# Altium PCB ESE516_PCB.PcbDoc (part 2 of 2)
Units mil, origin at the board's own origin, x right, y up, seen from the top; angles counter-clockwise.
Board outline 2362.21 x 2362.21 mil, 4 copper layers (Top Layer, GroundPlane, PowerPlane, Bottom Layer), stack 58.4 mil thick; 125 components, 76 nets, 358 pads, 172 vias.
Unrouted connection lines stored in the file: 70.
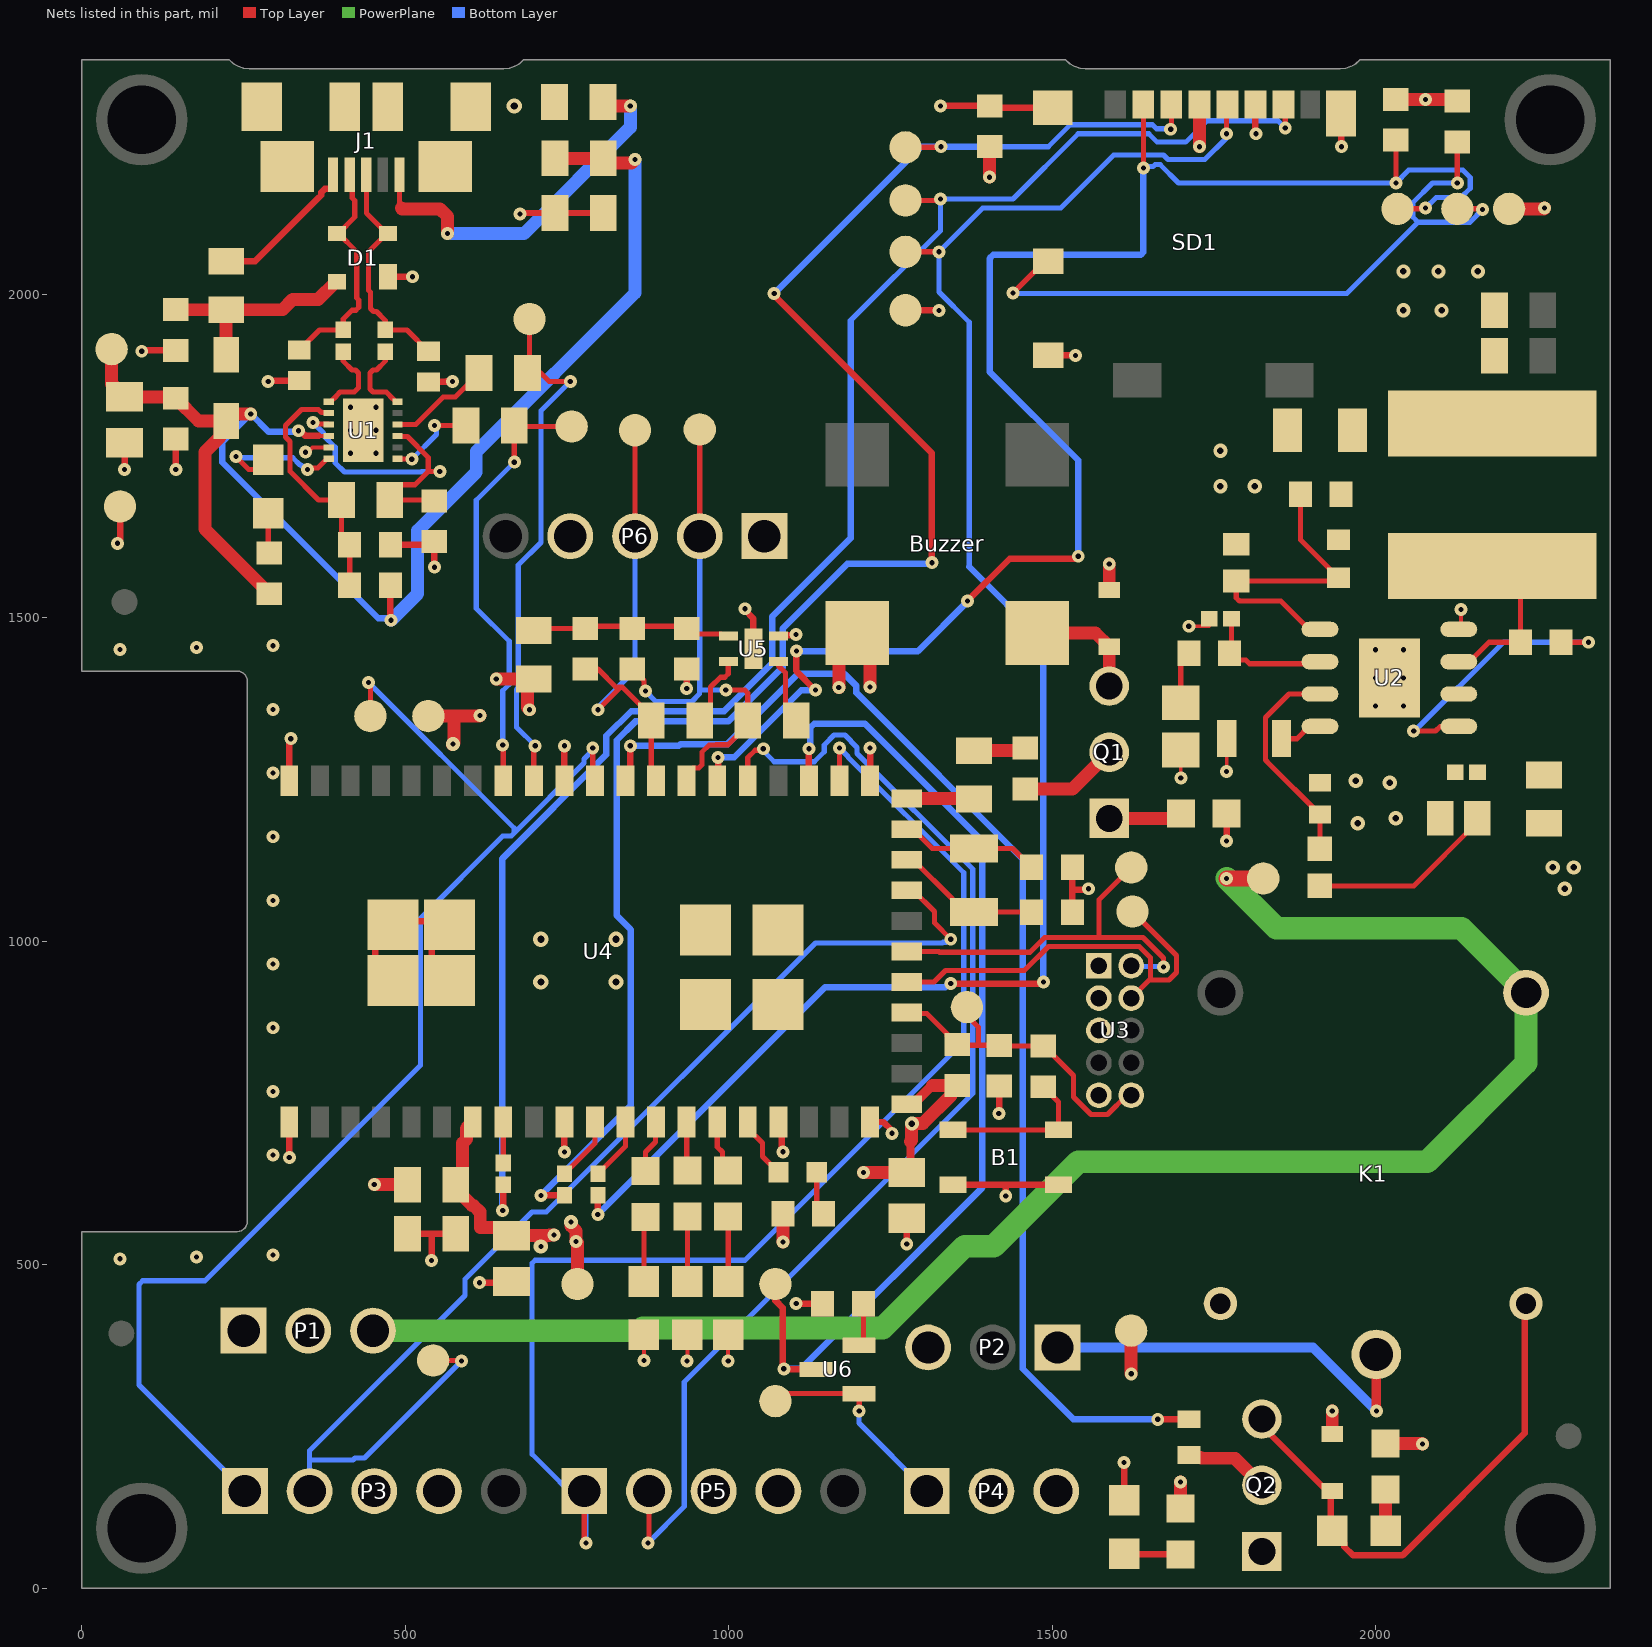
[diagram p4: the nets of this part, all layers, seen from the top]

## Via types
v1: diameter 20, hole 8, Top Layer to Bottom Layer, tented both sides, 136 vias
v2: diameter 22, hole 10, Top Layer to Bottom Layer, tented both sides, 16 vias
v3: diameter 20, hole 8, Top Layer to Bottom Layer, 12 vias
v4: diameter 23.62, hole 11, Top Layer to Bottom Layer, tented both sides, 5 vias
v5: diameter 22, hole 8, Top Layer to Bottom Layer, tented both sides, 3 vias

## Nets (pads, with @x,y where several pads share a name; then routed paths per layer and width w, separated by ;. In a path a pad name is that pad's centre, name@x,y a point inside that pad or via, vN(x,y) a via of type N, cw(c..) or ccw(c..) an arc to the next point about the centre after c; other vN are vias at no path point) (continued)
3V3: Buzzer.1 C15.2 D2.1 P6.1 R7.1 R13.2 R14.2 R22.2 R30.1 R38.2 SD1.4 TP6.1 TP19.1 | length 822.7
  Top Layer w20: v1(452,624) 452.32,623.68 R30.1@503.17,623.68 ; TP19.1@535.48,1347.89 574.97,1347.89 ; v5@572.45,1303.65 574.97,1306.17 574.97,1347.89 ; v1(615.18,1348.61) 614.47,1347.89 574.97,1347.89 ; v1(640.5,1405.4) R38.2@698.6,1405.4 688.76,1395.56 688.76,1360.91 v1(692,1357.67) ; v1(1083.6,535.01) R7.1@1083.6,578.5 ; v1(1169.94,1392.11) 1169.94,1447.7 Buzzer.1@1198.45,1476.2 1218.29,1456.37 v1(1218.29,1392.63) ; v1(1403,2180.81) C15.2@1403,2228 ; D2.1@1588,1542.9 v1(1588,1583) ; v1(1727.38,2228) SD1.4@1727.38,2293.09 ; R13.2@2031.19,2301.18 v1(2077,2301.18) 2123.32,2301.18 R14.2@2126,2298.5 ; TP6.1@2206,2132 2260,2132 v1(2261,2133)
  other v2: 2042.65,1975.21 2101.69,1975 2042.65,2035.28 2096.74,2035.28 2157.86,2035.28
  other v5: 573.71,1304.91
5V: D6.1 K1.COIL1 P1.2 P3.3 P4.2 P5.3 R19.2 R20.2 R32.1 TP21.1 | length 206.7
  Top Layer w8: v1@1621.91,331.38 v1(1622,331.29) v1@1624,333.29 ; TP21.1@1621.91,397.99 TP21.1@1623.91,395.99
  Top Layer w20: v1@1621.91,331.38 TP21.1@1621.91,397.99 ; R19.2@1698,122.95 v1(1698,164) ; D6.1@1932.66,237.9 v1(1932.66,274) ; R20.2@2015,223.43 2071.57,223.43 v1(2072,223)
  other v2: 2292.11,1081 2273.65,1114 2306.09,1114
12V: K1.NO P1.3 TP5.1 | length 2654.6
  Top Layer w25: v1(1769.43,1097) TP5.1@1826,1097
  PowerPlane w35: P1.3@450,398 862.7,398 866.7,402 1237.84,402 1364.38,528.54 1409.53,528.54 1540.07,659.08 2079.53,659.08 2232.22,811.77 K1.NO@2232.22,920.16 2132.38,1020 1846.43,1020 v1(1769.43,1097)
CBUS0: D5.2 U1.6 | length 223.4
  Top Layer w8: v1(238,1749) 258,1729 272.66,1729 D5.2@288,1744.34 ; v1(348.87,1729) 351.17,1731.3 364.63,1731.3 377.83,1744.5 380.78,1744.5 U1.6@381.7,1745.42
  Bottom Layer w8: v1(238,1749) 239.83,1747.17 325.84,1747.17 337.22,1735.8 338.83,1735.8 345.63,1729 v1(348.87,1729)
FLASH_MEM_SPI_SS: R13.1 SD1.2 TP11.1 U4.37 | length 2527.1
  Top Layer w8: v1(1640.77,2195) SD1.2@1640.77,2293.09 ; v1(2031,2172) 2031,2175.81 2031.19,2176 R13.1@2031.19,2238.19 ; TP11.1@2033.48,2132 2076,2132 v1(2077,2133)
  Top Layer w10: U4.37@982.07,1248.03 983.31,1249.28 v1(983.31,1283.65) ; v1(1104.73,1448.26) 1104.73,1445.89 1104.11,1445.28 1104.11,1417.65 v1(1133.77,1388) ; v1(1369,1526) 1434.17,1591.17 1536,1591.17 1539.83,1595 v1(1540.09,1595)
  Bottom Layer w8: v1(1640.77,2195) 1643.06,2197.3 1655.83,2197.3 1658.77,2200.23 1666.77,2200.23 1695,2172 v1(2031,2172) 2051,2192 2134.28,2192 2146,2180.28 2146,2163.72 2131.79,2149.51 2093.51,2149.51 v1(2077,2133)
  Bottom Layer w10: v1(983.31,1283.65) 983.91,1284.25 1008.31,1284.25 1112.07,1388 v1(1133.77,1388) ; v1(1104.73,1448.26) 1292.26,1448.26 1369,1525 v1(1369,1526) ; v1(1540.09,1595) 1540.09,1743.15 1403,1880.25 1403,2055.14 1408.86,2061 1637,2061 1640.77,2064.77 v1(1640.77,2195)
GND: B1.3 B1.4 C1.1 C2.1 C3.1 C4.1 C5.2 C6.2 C7.1 C9.1 C10.1 C11.1 C12.1 C13.1 C14.1 C15.1 C17.2 C18.2 C19.1 C20.2 C21.2 C22.1 D1.1 D3.1 D7.1 D8.1 D9.1 J1.6 J1.7 J1.8 J1.9 J1.10 J1.11 P1.1 P2.3 P3.4 P4.3 P5.4 P6.4 Q2.1 R15.1 R27.2 R29.1 R29.2 R31.1 R31.2 R34.1 R42.1 R44.1 SD1.6 SD1.10 SD1.11 SD1.12 TP3.1 TP13.1 U1.5 U1.13 U2.4 U2.9 U3.3 U3.5 U3.9 U4.0 U4.1 U4.10 U4.17 U4.20 U4.32 U4.42 U4.51 U5.4 U5.5 | length 2661.8
  Top Layer w6: v1(345.5,1755.8) 349.29,1755.8 356.63,1763.13 U1.5@381.7,1763.13 ; v1(868.72,352) D9.1@868.72,391.32 ; v1(935.12,351) 936,351.88 D7.1@936,391.32 ; D8.1@998.85,391.32 998.85,351.15 v1(999,351) ; v1(1698.57,1252) C17.2@1698.57,1295.5 ; v1(1710.96,1486.79) C22.1@1742.46,1486.79 ; v1(1769,1262) 1769.68,1262.68 C21.2@1769.68,1313 ; U2.4@2128.28,1482 2131.54,1485.25 v1(2131.54,1512.58)
  Top Layer w10: v1(55,1615) 57,1617 57,1619 59,1621 TP3.1@59,1672 ; v1(66,1729) C4.1@66,1770.57 ; v1(92.52,1911.81) 93.95,1913.24 C2.1@145,1913.24 ; v1(145.23,1729) C3.1@145.23,1776.13 ; v1(288,1865) 288.44,1865 289.82,1866.38 C5.2@336,1866.38 ; v1(320.65,665.74) U4.1@320.65,720.47 ; U4.51@320.65,1248.03 320.65,1310.65 v1(323,1313) ; U4.0@453.25,945.22 453.25,1031.13 540.57,1031.13 U4.0@540.57,945.22 ; D1.1@473.25,2027 v1(511,2027) ; C7.1@477,1613 540.5,1613 C1.1@545,1617.5 v1(545,1578) ; R31.1@503.17,548 540.57,548 ; C6.2@535.48,1864.56 563.18,1864.56 564.17,1865.55 572.45,1865.55 v1(572.79,1865.21) ; v1(540.57,506.3) 540.57,548 ; R31.2@577.97,548 540.57,548 ; v1(614.85,472.15) 662.15,472.15 C10.1@664,474 ; v1(677,2124) 678.5,2125.5 R29.2@731.2,2125.5 R29.1@806,2125.5 ; v1(745.85,674) U4.10@745.85,720.47 ; U4.42@745.85,1248.03 v1(745.85,1301.99) ; v1(934.82,1390.59) C9.1@934.82,1420.5 ; v1(1025.2,1513.8) 1025.2,1511.29 1038,1498.5 U5.5@1038,1452 ; U4.17@1076.56,720.47 1081.69,715.34 1081.69,676.33 v1(1083.6,674.42) ; U5.4@1076.78,1471.69 1078.06,1472.97 1102.76,1472.97 v1(1104.05,1474.25) ; v1(1104.11,439.84) R34.1@1145.06,439.84 ; U4.20@1218.29,720.47 1238.85,720.47 1251,708.32 1251,704 v1(1252,703) ; U4.32@1218.29,1248.03 v1(1218.29,1298.5) ; TP13.1@1273,1975.21 1324.68,1975.21 v1(1324.89,1975) ; v1(1275,532) C11.1@1275.02,571.51 ; v1(1327,2291) 1328.09,2291 C15.1@1403,2290.99 1405.82,2288.17 SD1.11@1500.61,2288.17 ; B1.3@1346.31,623.68 1428,623.68 ; v1(1417.29,733.75) 1418.25,734.71 C12.1@1418.25,776.04 ; v1(1428,606) 1428,623.68 ; SD1.10@1493.72,1905.3 1535.7,1905.3 v1(1536,1905) ; B1.4@1509.69,623.68 1428,623.68 ; C13.1@1531,1045 1531,1079.5 ; C14.1@1531,1114 1531,1079.5 ; v1(1556,1081) 1554.5,1079.5 1531,1079.5 ; D3.1@1611,135.86 v1(1611,194) ; v1(1769,1155) 1769.43,1155.43 R15.1@1769.43,1197 ; SD1.6@1814,2293.09 1814,2249 v1(1815,2248) ; SD1.12@1946.28,2279.31 1946.28,2228.72 v1(1947,2228)
  other v1: 59.06,509 177.17,512 295.28,515 295.28,669.29 295.28,767.72 295.28,866.14 295.28,964.57 295.28,1062.99 295.28,1161.42 295.28,1259.84 295.28,1358.27 59.06,1450.69 177.17,1453.69 295.28,1456.69
  other v2: 1972.21,1182.2 2031,1190.1 2021.5,1244.92 1968.94,1248.03 1759.78,1703.02 1813.01,1703.02 1759.78,1758
  other v3: 1999.35,1363.69 2042.65,1363.69 1999.35,1407 2042.65,1407 1999.35,1450.31 2042.65,1450.31 415.17,1754.28 454.54,1754.28 415.17,1789.71 454.54,1789.71 415.17,1825.14 454.54,1825.14
  other v4: 709.43,936.85 825.66,936.85 709.43,1003 825.66,1003 668.4,2291
GND_USB: J1.5 R27.1 | length 584.1
  Top Layer w8: J1.5@490.76,2184.69 490.76,2136.24 494,2133
  Top Layer w20: 494,2133 495,2132 553.28,2132 565,2120.28 v1(565,2093.93) ; R27.1@805.4,2297 811.4,2291 v1(847.71,2291)
  Bottom Layer w20: v1(565,2093.93) 683.7,2093.93 847.71,2257.94 v1(847.71,2291)
I2C_SCL: P6.3 R23.1 R39.2 TP20.1 U4.39 | length 739.5
  Top Layer w8: R23.1@778,1420.5 797.68,1420.5 825.66,1392.53 830.61,1392.53 ; v1(797.68,1357.67) 830.61,1390.59 830.61,1392.53 ; P6.3@855,1626 TP20.1@855,1789.71 ; U4.39@887.58,1248.03 880.2,1255.41 R39.2@880.2,1341 880.2,1347.89 835.56,1392.53 830.61,1392.53
  Bottom Layer w8: v1(797.68,1357.67) 799.98,1359.97 799.98,1363.98 855,1419 P6.3@855,1626
I2C_SDA: P6.2 R36.1 R40.2 TP22.1 U4.38 | length 818
  Top Layer w8: R36.1@851,1420.5 868.72,1402.79 868.72,1388.95 v1(871,1386.67) ; U4.38@934.82,1248.03 934.82,1257.85 944.6,1267.63 953.6,1267.63 958.29,1272.31 958.29,1291.93 969.8,1303.44 979.81,1303.44 980.02,1303.65 998.85,1303.65 1029.31,1334.11 R40.2@1029.31,1341 1029.31,1383.31 1024.62,1388 v1(995.32,1388) ; P6.2@955,1626 TP22.1@955,1789.71
  Bottom Layer w8: v1(871,1386.67) 887.08,1370.59 943.11,1370.59 954.82,1382.31 954.82,1388 ; P6.2@955,1626 955,1392.33 954.82,1392.16 954.82,1388 ; v1(995.32,1388) 954.82,1388
MCU_LED: DS1.2 U4.16 | length 97.5
  Top Layer w8: U4.16@1029.31,720.47 1029.31,710.63 1052.06,687.88 1052.06,667.39 DS1.2@1076.78,642.67
MCU_RESET: C12.2 R11.1 R12.2 TP16.1 U3.10 U4.24 | length 502.8
  Top Layer w8: U4.24@1275.16,889.46 1276.52,888.1 1305.96,888.1 1337.57,856.49 1337.57,853.71 1351.28,839.99 R11.1@1353.25,839.99 1354.21,839.03 1385.99,839.03 ; TP16.1@1364.07,889.61 1363.66,889.2 1385.99,866.87 1385.99,839.03 ; C12.2@1417.78,839.03 1385.99,839.03 ; C12.2@1418.88,839.03 1419.92,837.99 R12.2@1486.25,837.99 ; R12.2@1488.22,837.99 1501.94,824.28 1501.94,823.12 1532.77,792.29 1532.77,759.08 1559.66,732.2 1585.45,732.2 1615.1,761.85 U3.10@1621.86,761.85
MCU_RX_UART_CLI: R24.2 TP4.1 U4.44 | length 688.2
  Top Layer w8: v1(650.47,1303.16) 651.36,1302.27 U4.44@651.36,1248.03 ; v1(668.4,1740.3) R24.2@668.4,1797 669.99,1795.41 TP4.1@757,1795.41
  Bottom Layer w8: v1(650.47,1303.16) 650.47,1387.09 660.5,1397.12 660.5,1463.46 609.57,1514.39 609.57,1681.47 v1(668.4,1740.3)
MCU_TX_UART_CLI: R26.2 TP2.1 U4.43 | length 820.6
  Top Layer w8: TP2.1@692,1961.5 692,1881.34 R26.2@688.76,1878.1 709.43,1878.1 722.32,1865.21 v1(755,1865.21) ; U4.43@698.6,1248.03 698.6,1299.91 v1(700.69,1301.99)
  Bottom Layer w8: v1(700.69,1301.99) 672,1330.68 672,1388.82 674.5,1391.32 674.5,1581.24 709.57,1616.31 709.57,1819.78 v1(755,1865.21)
MEM_SPI_CLK: R10.2 SD1.5 TP10.1 | length 2689.7
  Top Layer w8: TP10.1@1273,2065.53 v1(1324.89,2065.53) ; v1(1769,2248) 1769,2291.4 SD1.5@1770.69,2293.09
  Top Layer w10: v1(797.5,577.5) 797.68,577.69 R10.2@797.68,606.94 ; v1(1343,934.47) 1483.87,934.47 v1(1486.25,936.85)
  Bottom Layer w8: 1371.48,1578.75 1371.48,1956.7 1324.89,2003.28 v1(1324.89,2065.53) 1392.47,2133.11 1512.96,2133.11 1594.85,2215 1671.8,2215 1678.8,2208 1735.67,2208 1769,2241.33 v1(1769,2248)
  Bottom Layer w10: v1(797.5,577.5) 1149,929 1334.82,929 1340.29,934.47 v1(1343,934.47) ; 1371.48,1578.75 1486.25,1463.97 v1(1486.25,936.85)
MEM_SPI_MISO: R9.2 SD1.7 TP9.1 | length 2659.4
  Top Layer w8: TP9.1@1273,2145 1324.89,2145 v1(1327,2147.11) ; SD1.7@1857.3,2293.09 1860,2290.39 v1(1860,2257)
  Top Layer w10: v1(650.47,583.5) 651.36,584.39 R9.2@651.36,623.68
  Bottom Layer w8: 1188.19,1959.19 1327,2098 v1(1327,2147.11) 1439.2,2147.11 1540.09,2248 1649.05,2248 1662.05,2235 1706.1,2235 1739.1,2268 1849,2268 v1(1860,2257)
  Bottom Layer w10: v1(650.47,583.5) 650,583.98 650,1127.7 810.71,1288.4 810.71,1317.32 848.98,1355.59 992.61,1355.59 1067.05,1430.03 1067.05,1501.84 1188.19,1622.99 1188.19,1959.19
MEM_SPI_MOSI: R8.2 SD1.3 TP8.1 | length 2777.6
  Top Layer w8: TP8.1@1273,2227 1327.1,2227 v1(1328.1,2228) ; v1(1683,2255) 1684.07,2256.07 SD1.3@1684.07,2293.09
  Top Layer w10: v1(709.43,606.94) R8.2@745.85,606.94 ; v1(1070.09,2001) 1070.09,1998.29 1076.78,1991.6 1076.78,1991.21 1314,1753.99 v1(1314,1585)
  Bottom Layer w8: 1392.47,2228 1493.67,2228 1527.67,2262 1654.85,2262 1661,2255.85 1682.15,2255.85 v1(1683,2255)
  Bottom Layer w10: v1(709.43,606.94) 848.47,745.98 848.47,1017.93 826.71,1039.69 826.71,1310.69 855.61,1339.59 999.24,1339.59 1083.05,1423.4 1083.05,1482.95 1183.09,1583 1312,1583 v1(1314,1585) ; v1(1070.09,2001) 1297.09,2228 v1(1328.1,2228) 1392.47,2228
NetB1_1: B1.1 B1.2 R12.1 | length 239.8
  Top Layer w8: B1.1@1346.31,708.32 B1.2@1509.69,708.32 1509.69,751.56 R12.1@1486.25,775
NetBuzzer_2: Buzzer.2 D2.2 Q1.3 | length 180.9
  Top Layer w20: Buzzer.2@1476.56,1476.2 1566.9,1476.2 D2.2@1588,1455.1 Q1.3@1588,1394.36
NetC8_1: C8.1 L1.1 U2.3 | length 243.4
  Top Layer w8: U2.3@2128.28,1432 2145.02,1432 2175.02,1462 C8.1@2223.5,1462 2223.5,1536.26 L1.1@2180,1579.76
NetC8_2: C8.2 U2.1 | length 442.5
  Top Layer w8: v1(2058.53,1324.79) 2092.3,1324.79 2099.51,1332 U2.1@2128.28,1332 ; C8.2@2286.5,1462 v1(2329,1462)
  Bottom Layer w8: v1(2058.53,1324.79) 2059.96,1324.79 2197.17,1462 v1(2329,1462)
NetC9_2: C9.2 R23.2 R36.2 R38.1 U5.1 | length 312.3
  Top Layer w8: R38.1@698.6,1480.2 701.89,1483.5 R23.2@778,1483.5 781.29,1486.79 847.71,1486.79 R36.2@851,1483.5 854.29,1486.79 931.53,1486.79 943.34,1474.98 988.06,1474.98 991.35,1471.69 U5.1@999.22,1471.69
NetC16_1: C16.1 C20.1 L1.2 R35.1 R41.2
NetC16_2: C16.2 R41.1 R44.2 U2.5 | length 489
  Top Layer w8: R41.1@1883.5,1691 1883.5,1620.42 C16.2@1942.28,1561.64 1937.09,1556.46 R44.2@1784.42,1556.46 1784.42,1530.69 1789.1,1526 1852.98,1526 1896.98,1482 U2.5@1913.72,1482
NetC17_1: C17.1 R21.1 | length 81.9
  Top Layer w8: C17.1@1698.57,1368.5 1698.57,1432.88 R21.1@1710.96,1445.28
NetC18_1: C18.1 C19.2 R32.2 R43.2 U2.2 | length 296.1
  Top Layer w8: R43.2@1913.72,1085.38 2058.53,1085.38 2156.86,1183.7 C18.1@2156.86,1189.64 C18.1@2157.32,1190.1 ; C19.2@2157.32,1261 C19.2@2161.32,1257
NetC21_1: C21.1 U2.8 | length 67.3
  Top Layer w8: C21.1@1854.32,1313 1877.98,1313 1896.98,1332 U2.8@1913.72,1332
NetC22_2: C22.2 R21.2 U2.6 | length 190.7
  Top Layer w8: C22.2@1777.1,1486.79 1777.1,1448.43 R21.2@1773.95,1445.28 1784.42,1434.81 1798.98,1434.81 1804.95,1428.85 1889.61,1428.85 1892.76,1432 U2.6@1913.72,1432
NetD3_2: D3.2 R19.1 | length 87.5
  Top Layer w10: D3.2@1612.09,52.09 R19.1@1698,52.09
  Top Layer w20: D3.2@1611,53.18 D3.2@1612.09,52.09
NetD4_1: D4.1 D6.2 K1.COIL2 Q2.3 | length 820.4
  Top Layer w10: Q2.3@1823.66,261.02 1823.66,251.06 1917.21,157.5 1925.26,157.5 D6.2@1932.66,150.1 1930.32,147.76 1930.32,91.34 1951.28,70.38 1951.28,64.17 1964.94,50.51 2041.18,50.51 2229.88,239.21 2229.88,437.5 K1.COIL2@2232.22,439.84
NetD4_2: D4.2 R20.1 | length 76.9
  Top Layer w20: R20.1@2005.66,143.23 R20.1@2015,152.57 2015,89.34 D4.2@2015.34,89
NetD5_1: D5.1 R3.1 | length 62.5
  Top Layer w8: D5.1@288,1661.66 288,1602 R3.1@290,1600
NetD7_2: D7.2 R16.2 | length 100.6
  Top Layer w8: D7.2@936,474 R16.2@936,574.57
NetD8_2: D8.2 R17.2 | length 100.6
  Top Layer w8: D8.2@998.85,474 999,474.15 R17.2@999,574.57
NetD9_2: D9.2 R18.2 | length 107.7
  Top Layer w8: D9.2@871,476.28 D9.2@868.72,474 868.72,571.28 R18.2@871,573.57 R18.2@871,577.5
NetDS1_1: DS1.1 R7.2 | length 68.6
  Top Layer w8: DS1.1@1135.83,642.67 1135.83,589.26 R7.2@1146.59,578.5
NetQ1_1: Q1.1 R15.2 | length 113.6
  Top Layer w20: Q1.1@1588,1189.64 1691.2,1189.64 R15.2@1698.57,1197
NetQ1_2: Q1.2 R6.2 | length 153.4
  Top Layer w20: R6.2@1458,1235.5 1531.5,1235.5 Q1.2@1588,1292
NetQ2_2: Q2.2 R33.2 | length 132.4
  Top Layer w20: R33.2@1711,205.8 1714.78,202.02 1729.21,202.02 1730.43,200.8 1782.2,200.8 Q2.2@1824,159
NetR6_1: R6.1 R37.2 | length 80.7
  Top Layer w20: R37.2@1379,1294.4 1453.91,1294.4 R6.1@1458,1298.5
NetR24_1: R24.1 U1.7 | length 139.8
  Top Layer w8: U1.7@488,1745.42 508.55,1745.42 508.96,1745 v1(510,1745) ; v1(545,1797) R24.1@593.6,1797
  Bottom Layer w8: v1(510,1745) 548,1783 548,1794 v1(545,1797)
NetR26_1: R26.1 U1.10 | length 158.9
  Top Layer w8: U1.10@488,1798.57 516.11,1798.57 558.68,1841.14 577,1841.14 R26.1@613.96,1878.1
NetR34_2: R34.2 U6.2 | length 67.2
  Top Layer w8: U6.2@1201.46,375.4 1208.05,381.99 R34.2@1208.05,439.84
NetR39_1: R39.1 U5.2 | length 113.6
  Top Layer w8: R39.1@955,1341 955,1347.89 971.67,1364.56 971.67,1392.63 987.04,1408 993.8,1408 999.22,1413.43 U5.2@999.22,1432.31
NetR40_1: R40.1 U5.3 | length 102.6
  Top Layer w8: U5.3@1076.78,1432.31 1076.78,1425.43 1087.44,1414.76 1087.44,1357.67 R40.1@1104.11,1341
NetR42_2: R42.2 R43.1 U2.7 | length 337.4
  Top Layer w8: R43.1@1913.72,1142.62 R42.2@1913.72,1195.71 1832.76,1276.67 1832.76,1276.87 1829.44,1280.19 1829.44,1345.81 1865.63,1382 U2.7@1913.72,1382
PA02: R37.1 U4.31 | length 104.3
  Top Layer w20: U4.31@1275.02,1220.31 1378.28,1220.31 R37.1@1379,1219.6
PA03: P5.1 U4.33 | length 1940.3
  Top Layer w8: P5.1@776.56,150.1 776.56,72.44 v1(779,70) ; U4.33@1171.04,1248.03 v1(1171.04,1298.5)
  Bottom Layer w8: v1(779,70) 779,124.03 696,207.03 696,502.23 700.69,506.91 1025.2,506.91 1363,844.72 1363,1105.7 1184.29,1284.41 1184.29,1285.25 v1(1171.04,1298.5)
PA04: TP18.1 U4.34 U6.3 | length 1571.3
  Top Layer w10: TP18.1@1072,470 1072,444.51 1083.11,433.4 1083.11,340.89 v1(1085,339) 1086,339 1087,338 U6.3@1134.54,338 ; U4.34@1123.8,1248.03 v1(1123.8,1297.44)
  Bottom Layer w10: v1(1085,339) 1111.7,339 1392,619.3 1392,1154.48 1210.48,1336 1131.86,1336 1126,1330.14 1126,1300.7 1123.8,1298.5 v1(1123.8,1297.44)
PA06: P5.2 U4.36 | length 1843.7
  Top Layer w8: v1(875,70) 875,74 876.56,75.56 P5.2@876.56,150.1 ; U4.36@1029.31,1248.03 1029.31,1283.65 1040.8,1295.14 1051.02,1295.14 v1(1053.32,1297.44)
  Bottom Layer w8: v1(875,70) 931.12,126.12 931.12,318.72 1377,764.59 1377,1111.5 1198.29,1290.21 1198.29,1299.54 1179.33,1318.5 1162.76,1318.5 1147.42,1303.16 1147.42,1292.78 1132.08,1277.44 1070.09,1277.44 1053.32,1294.21 v1(1053.32,1297.44)
PA10: R33.1 U4.40 | length 1911.1
  Top Layer w10: U4.40@840.33,1248.03 847.71,1255.41 v1(847.71,1301.99) ; v1(1663,260.92) R33.1@1711,260.92
  Bottom Layer w10: v1(847.71,1301.99) 922.87,1301.99 925.53,1304.65 997.98,1304.65 1106.44,1413.11 1178.64,1413.11 1197.29,1394.47 1197.29,1383.93 1454.43,1126.79 1454.43,339.14 1532.66,260.92 v1(1663,260.92)
PA11: P3.1 TP23.1 U4.41 | length 2002.1
  Top Layer w8: v1(443,1400) 445.91,1397.09 TP23.1@445.91,1347.89 ; v1(789.71,1298.5) 789.71,1251.41 U4.41@793.09,1248.03
  Bottom Layer w8: P3.1@252,150.1 88.1,314 88.1,469.1 94,475 190.17,475 523.24,808.07 523.24,1035.24 650.47,1162.47 663.56,1162.47 668.4,1167.31 ; v1(443,1400) 668.4,1174.6 668.4,1167.31 ; v1(789.71,1298.5) 789.71,1295.25 776.26,1281.8 776.26,1275.17 668.4,1167.31
PA20: R18.1 U4.13 | length 86.8
  Top Layer w8: R18.1@871,640.5 871,674 886.54,689.54 886.54,719.43 U4.13@887.58,720.47
PA21: R16.1 U4.14 | length 79.5
  Top Layer w8: U4.14@934.82,720.47 934.82,642.67 R16.1@936,641.5
PA22: R17.1 U4.15 | length 86
  Top Layer w8: U4.15@982.07,720.47 982.07,681.93 989.99,674 989.99,650.5 R17.1@999,641.5
PB03: P3.2 TP24.1 U4.28 | length 1847.8
  Top Layer w8: TP24.1@543,352 586,352 v1(587,351) ; U4.28@1275.02,1078.58 1284.86,1078.58 1317.67,1045.77 1317.67,1028.33 v1(1343,1003)
  Bottom Layer w8: P3.2@352,150.1 352,198 ; v1(587,351) 437,201 422,201 419,198 352,198 ; v1(1343,1003) 1339.75,1003 1335.16,998.41 1331.13,998.41 1330.02,997.3 1133.77,997.3 717.71,581.24 695.66,581.24 592,477.58 592,452.3 352,212.3 352,198
PressureInput: P4.1 TP17.1 U6.1 | length 328.4
  Top Layer w8: TP17.1@1072,289 1083.6,300.6 U6.1@1201.46,300.6 v1(1201.46,274)
  Bottom Layer w8: v1(1201.46,274) 1201,273.54 1201,255.1 P4.1@1306,150.1
Pump: K1.COM P2.1 | length 620.8
  Top Layer w15: K1.COM@2000.72,361.1 2000.72,279.28 2001,279 v1(2001,274)
  Bottom Layer w15: P2.1@1508,372 1903,372 v1(2001,274)
RS: C7.2 R4.2 R5.2 U1.2 | length 388.7
  Top Layer w8: U1.2@381.7,1816.28 380.78,1817.2 370.21,1817.2 365.51,1821.91 339.33,1821.91 314.67,1797.25 314.67,1779.05 321.62,1772.1 321.62,1726.25 365.87,1682 R4.2@401.2,1682 401.2,1625.81 C7.2@414,1613 R5.2@414,1550
SD_CARD_DETECT: R14.1 SD1.9 TP7.1 | length 1073.4
  Top Layer w8: v1(1439,2002) 1472.28,2035.28 1478.04,2035.28 SD1.9@1493.72,2050.96 ; TP7.1@2126,2132 2163.88,2132 v1(2165.02,2130.86) ; v1(2126,2172) R14.1@2126,2235.5
  Bottom Layer w8: v1(1439,2002) 1440,2001 1955,2001 2065.31,2111.31 ; v1(2126,2172) 2087.72,2172 2057,2141.28 2057,2119.61 2065.31,2111.31 ; v1(2165.02,2130.86) 2145.46,2111.31 2065.31,2111.31
SERCOM1_PAD2_SPI_MISO: R9.1 U4.8 | length 63.3
  Top Layer w8: R9.1@651.36,657.14 U4.8@651.36,720.47
SERCOM1_PAD2_SPI_MOSI: R8.1 U4.11 | length 99.6
  Top Layer w8: R8.1@745.85,640.41 793.09,687.65 U4.11@793.09,720.47
SERCOM1_PAD3_SPI_SCK: R10.1 U4.12 | length 97.7
  Top Layer w8: R10.1@797.68,640.41 840.33,683.06 U4.12@840.33,720.47
SWCLK: TP15.1 U3.4 U4.25 | length 649.5
  Top Layer w8: U4.25@1275.02,936.85 1317.09,936.85 1334.72,954.47 1456.64,954.47 1493.97,991.8 1634.34,991.8 1651.8,974.34 1651.8,941.8 ; U3.4@1622,912 1651.8,941.8 ; TP15.1@1624,1045.77 1692,977.77 1692,951.72 1680.28,940 1653.6,940 1651.8,941.8
SWDIO: TP14.1 U3.2 U4.26 | length 613.8
  Top Layer w8: U4.26@1275.02,984.09 1324.42,984.09 1325.51,983 1465.37,983 1488.17,1005.8 1572,1005.8 ; TP14.1@1622,1114 1572,1064 1572,1005.8 ; v1(1672,960) 1672,973.94 1640.14,1005.8 1572,1005.8
  Bottom Layer w8: U3.2@1622,962 1623,961 1671,961 v1(1672,960)
USB_DATA_N: C5.1 D1.3 J1.2 R1.1 | length 362.6
  Top Layer w8: C5.1@336,1913.62 367.11,1944.73 R1.1@404,1944.73 404,1961.5 417.72,1975.21 423.23,1975.21 427.91,1979.9 427.91,1991.21 424.88,1994.25 424.88,2065.53 D1.3@396.48,2093.93 ; D1.3@394.51,2093.93 D1.3@396.48,2093.93 ; J1.2@413.99,2184.69 417.87,2180.81 417.87,2148.84 421.71,2145 421.71,2119.16 D1.3@396.48,2093.93
USB_DATA_P: C6.1 D1.2 J1.3 R2.1 | length 353.1
  Top Layer w8: J1.3@442.88,2176 439.71,2172.83 439.71,2125.5 D1.2@471.28,2093.93 ; D1.2@473.25,2093.93 D1.2@471.28,2093.93 ; C6.1@535.48,1911.81 502.55,1944.73 R2.1@469,1944.73 469,1959.5 455.28,1973.21 450.6,1973.21 445.91,1977.9 445.91,2003.13 442.88,2006.17 442.88,2065.53 D1.2@471.28,2093.93
USB_FTDI_DATA_N: R1.2 U1.1 | length 123.5
  Top Layer w8: U1.1@381.7,1834 384.65,1834 393.35,1842.7 393.35,1843.06 399.21,1848.92 421.16,1848.92 427.5,1855.26 427.5,1878.1 422.81,1882.79 417.72,1882.79 404,1896.5 R1.2@404,1911.27
USB_FTDI_DATA_P: R2.2 U1.12 | length 121.2
  Top Layer w8: R2.2@469,1911.27 469,1896.5 455.28,1882.79 450.19,1882.79 445.5,1878.1 445.5,1853.61 450.19,1848.92 470.49,1848.92 476.35,1843.06 476.35,1842.7 485.05,1834 U1.12@488,1834
VBUS: C2.2 D1.4 FB1.1 R25.2 | length 337
  Top Layer w20: C2.2@145,1976.23 145.23,1976 R25.2@223,1976 ; FB1.1@223,1906.44 R25.2@223,1976 ; D1.4@394.51,2019.13 394,2018.62 392.03,2018.62 365.41,1992 326,1992 310,1976 R25.2@223,1976
VBUS_USB: J1.1 R25.1 | length 234.3
  Top Layer w10: R25.1@223,2050.8 267.71,2050.8 364.02,2147.11 369.87,2152.97 369.87,2157.25 375.73,2163.11 385.53,2163.11 388.4,2165.98 J1.1@388.4,2184.69
VCCIO: C1.2 R4.1 U1.3 U1.9 | length 522.8
  Top Layer w8: v1(357.23,1801.91) 360.48,1801.91 362.89,1799.49 380.78,1799.49 U1.3@381.7,1798.57 ; U1.9@488,1780.85 488.92,1779.93 503.36,1779.93 535.48,1747.81 535.48,1726 ; C1.2@545,1680.5 543.5,1682 R4.1@476,1682 476,1688.89 492.67,1705.56 515.04,1705.56 535.48,1726 ; v1(553.28,1726) 535.48,1726
  Bottom Layer w8: v1(357.23,1801.91) 373.56,1785.57 373.56,1781.47 391.71,1763.32 391.71,1739.29 406,1725 524.23,1725 525.23,1726 v1(553.28,1726)
VSAMW25: C10.2 C11.2 R11.2 R30.2 TP12.1 U3.1 U4.7 U4.21 | length 762.7
  Top Layer w8: C11.2@1275.02,642.38 C11.2@1280.92,648.28 ; 1313.99,777 1314.64,777
  Top Layer w12: C11.2@1280.92,648.28 1280.92,690.55
  Top Layer w15: U4.21@1284.86,747.87 1313.99,777
  Top Layer w20: U4.7@604.11,720.47 594.33,710.69 594.33,693.96 588.33,687.96 588.33,634.03 R30.2@577.97,623.68 577.97,616.79 603.2,591.56 605.27,591.56 615.78,581.05 615.78,557.48 651.39,557.48 C10.2@664,544.87 709.43,544.87 ; v5(709.43,527.91) 709.43,544.87 ; v1(729.62,545.76) 722.76,545.76 721.87,544.87 709.43,544.87 ; v5(756,566) 756,560 764,552 v1(764,536) 766,534 TP12.1@766,470 ; v1(1208.05,642.67) 1208.35,642.38 C11.2@1275.02,642.38 ; U4.21@1275.02,747.87 U4.21@1284.86,747.87 ; 1280.92,690.55 1282.62,692.24 1282.62,717.62 1283.38,718.38 1300.27,718.38 1343.57,761.67 1343.57,769.28 1351.28,777 R11.2@1353.25,777 1343.57,777 1314.64,777
  other v2: 1283,718
VUSB: C3.2 C4.2 FB1.2 R3.2 R5.1 R28.1 R28.2 TP1.1 U1.4 | length 2262.3
  Top Layer w6: 365.87,1780.85 U1.4@381.7,1780.85
  Top Layer w10: v1(334.67,1788.97) 337.38,1788.97 345.5,1780.85 365.87,1780.85 ; R5.1@477,1550 477,1497.05 v1(478.05,1496)
  Top Layer w20: TP1.1@46,1915 46,1861.43 C4.2@66,1841.43 142.92,1841.43 C3.2@145.23,1839.13 180.28,1804.08 FB1.2@223,1804.08 ; v1(261,1815) 233.92,1815 FB1.2@223,1804.08 ; R3.2@290,1537.01 190,1637.01 190,1755.8 213.31,1779.11 213.31,1794.39 FB1.2@223,1804.08 ; R28.2@731.2,2210 R28.1@806,2210 813.52,2202.48 849.48,2202.48 v1(855,2208)
  Bottom Layer w10: v1(334.67,1788.97) 332.83,1787.13 288.87,1787.13 v1(261,1815) 217,1771 217,1740.3 458.3,1499 472.34,1499 475.34,1496 v1(478.05,1496)
  Bottom Layer w20: v1(478.05,1496) 519,1536.95 519,1634.43 609.57,1725 609.57,1756.55 855,2001.98 v1(855,2208)
XIN_32: C13.2 U4.29 X1.1 | length 227.9
  Top Layer w8: U4.29@1275.02,1125.83 1284.86,1125.83 1345.6,1065.09 1345.6,1062.65 1363.25,1045 X1.1@1379,1045 C13.2@1468.01,1045
XOUT_32: C14.2 U4.30 X1.2 | length 217.5
  Top Layer w8: U4.30@1275.02,1173.07 1284.86,1173.07 1314.51,1143.43 X1.2@1379,1143.43 1438.58,1143.43 C14.2@1468.01,1114
pads on no net: Buzzer.3 Buzzer.4 FD1. FD2. FD3. J1.4 K1.NC P2.2 P3.5 P5.5 P6.5 SD1.1 SD1.8 SD1.13 SD1.14 U1.8 U1.11 U3.6 U3.7 U3.8 U4.2 U4.3 U4.4 U4.5 U4.6 U4.9 U4.18 U4.19 U4.22 U4.23 U4.27 U4.35 U4.45 U4.46 U4.47 U4.48 U4.49 U4.50
copper on no net: | length 182.3
  Top Layer w10: v1(955.47,260.92) 958.5,263.95 958.5,316
  Top Layer w20: 864.01,316 927,316 958.5,316 989.99,316

## Polygon pours and split planes (outlines as drawn)
3V3 on PowerPlane "3V3_L03_P015" (solid, pour order 15): 1333.75,589.25 1236,444.84 717.99,438.09 423,438.09 423,1711 1369,1711 1369,2301.18 2294.18,2301.18 2308,2301.18 2322,2301.18 2327,1369 1317.77,1369 1284,1369 1284,1043 1105.65,1043 584.11,463.57
VSAMW25 on PowerPlane "VSAMW25_L03_P000" (solid, pour order 0): 1102.05,1034 577.44,599.76 577.44,465.84 1444,629.94 1444,789 1621,966 1621,1034
5V on PowerPlane "5V_L03_P014" (solid, pour order 14): 196,455 406,455 406,360.7 479.7,287 1577,287 1577,513 1614.98,513 2262,513 2262,1138 2269,1145 2332,1145 2332,37 2329,34 2326,37 196,37 196,453
GND on Top Layer "GND_L01_P032" (solid, pour order 32): 2354,2344.8 2354,0 0,0 0,2339 0,2355.43
3V3 on Top Layer "3V3_L01_P025" (solid, pour order 25): 1994.67,2065.53 1995,2065.2 1995,1943 2212.09,1943 2212.09,1946.91 2212.09,1952.91 2212.09,2065.53
NetC16_1 on Top Layer "NETC16_1_L01_P023" (solid, pour order 23): 1921,1933 1929,1933 2356,1933 2356,1583 2329,1583 1921,1583
NetC18_1 on Top Layer "NETC18_1_L01_P022" (solid, pour order 22): 2132.64,1407 2133.64,1408 2308,1408 2308,1224.33 2180,1224.33 2180,1155.13 2167.9,1155.13 2128.28,1155.13 2132.64,1408
GND on Top Layer "GND_L01_P024" (solid, pour order 24): 1727.38,1831.3 1898.64,1831.3 1898.64,1591.17 1727.38,1591.17 1727.38,1814.87
GND on Top Layer "GND_L01_P021" (solid, pour order 21): 1895,1281 1902,1281 2141,1281 2141,1138 2140,1138 1950,1138 1950,1220.31 1889,1220.31 1889,1281
5V on Top Layer "5V_L01_P019" (solid, pour order 19): 2208,1212.8 2208,1204 2208,1064 2321,1064 2321,1073.06 2321,1213
GND on Top Layer "GND_L01_P012" (solid, pour order 12): 421.16,1078.58 421.16,849.99 1158,849.99 1158,1078.58 1146.59,1078.58 1131.17,1078.58 422.81,1078.58
GND on Top Layer "GND_L01_P009" (solid, pour order 9): 354,2148.84 348.87,2153.97 221,2153.97 221,2334 757,2334 757,2271.69 721.32,2236 623,2236 623,2168.97 608,2153.97 510,2153.97 510,2237 506,2241 500,2235 363,2235 363,2162.97 354,2153.97
GND on GroundPlane "GND_L02_P010" (solid, pour order 10): 188.2,2318.2 188.2,2286.2 188.2,2170.2 18.2,2170.2 18.2,2101.12 18.2,2085.2 18.2,1429.2 274.2,1429.2 274.2,521.11 21.2,518.57 21.2,31.2 1597.2,31.2 1608.2,42.2 1624.33,26.06 2341.2,26.06 2341.2,980.24 2341.2,1036 2341.2,1045.2 2341.2,2318.2

## Other copper
Bottom Layer:
  text "Author: Xiyue Luo" at 533,2140 h30
  text "Author: Shuyi Ying" at 539,2081.52 h30
  text "Wtaer Dispenser" at 486,2023 h30

## Silkscreen, mask and mechanical layers (free items; w line width, h text height)
Top Overlay:
  drawing of 120 lines, arcs and shapes, not listed
  text "PCBA / Version:" at 976.98,1998.72 h30
  text "Whiskeypedia" at 871.01,1938.42 h30
  text "Rev: 1.2.2" at 877.87,1895 h30
Top Solder:
  rectangle: 1551,750 1637,976
  rectangle: 1007,1422 1073,1443
  rectangle: 1007,1461 1075,1483
  rectangle: 1578,2269.69 1947,2317
  rectangle: 380,2156 495,2214
  rectangle: 1727.38,1483 1792,1513.8
  rectangle: 2106,1245 2174,1277
  rectangle: 454.54,1898 487,1959
  rectangle: 391,1898 418,1959
  rectangle: 372,1738 432,1841
  rectangle: 443,1740.3 499,1842
  rectangle: 782.63,592.21 812,655
  rectangle: 732,593 759,655
  rectangle: 638.19,610 665,672
Board Shape:
  lines w10: 0,0 2362.21,0 2362.2,2362.2 1975.39,2362.2 1969.06,2356.37 1961.63,2352.01 1953.45,2349.32 1944.88,2348.42 1551.18,2348.42 1542.62,2349.33 1534.45,2352.01 1527.02,2356.35 1520.67,2362.16 682.72,2362.2 676.38,2356.37 668.95,2352.01 660.77,2349.32 652.2,2348.42 258.5,2348.42 249.95,2349.33 241.77,2352.01 234.34,2356.35 227.99,2362.16 0,2362.2 0,1417.32 240.16,1417.32 243.66,1416.93 246.99,1415.77 249.98,1413.89 252.48,1411.4 254.35,1408.41 255.51,1405.08 255.91,1401.57 255.91,566.93 255.51,563.42 254.35,560.09 252.48,557.1 249.98,554.61 246.99,552.73 243.66,551.57 240.16,551.18 0,551.18 0,0
  lines w20: 0,0 2362.21,0 2362.2,2362.2 1975.39,2362.2 1969.06,2356.37 1961.63,2352.01 1953.45,2349.32 1944.88,2348.42 1551.18,2348.42 1542.62,2349.33 1534.45,2352.01 1527.02,2356.35 1520.67,2362.16 682.72,2362.2 676.38,2356.37 668.95,2352.01 660.77,2349.32 652.2,2348.42 258.5,2348.42 249.95,2349.33 241.77,2352.01 234.34,2356.35 227.99,2362.16 0,2362.2 0,1417.32 240.16,1417.32 243.66,1416.93 246.99,1415.77 249.98,1413.89 252.48,1411.4 254.35,1408.41 255.51,1405.08 255.91,1401.57 255.91,566.93 255.51,563.42 254.35,560.09 252.48,557.1 249.98,554.61 246.99,552.73 243.66,551.57 240.16,551.18 0,551.18 0,0
Drill Drawing:
  circle w10: c-1232.77,3167.67 r16.67
  circle w10: c-1232.77,2867.67 r10
  circle w10: c-1232.77,2867.67 r16.67
  lines w10: -1249.44,2701 -1216.11,2701 -1216.11,2734.33 -1249.44,2734.33 -1249.44,2701 ; -1249.44,2784.33 -1241.11,2784.33 -1232.77,2776 -1224.44,2784.33 -1216.11,2784.33 -1224.44,2792.67 -1216.11,2801 -1224.44,2801 -1232.77,2809.33 -1241.11,2801 -1249.44,2801 -1241.11,2792.67 -1249.44,2784.33 ; -1249.44,2959.33 -1216.11,2959.33 -1232.77,2926 -1249.44,2959.33 ; -1249.44,3001 -1216.11,3001 -1216.11,3034.33 -1249.44,3034.33 -1249.44,3001 ; -1249.44,3076 -1232.77,3084.33 -1216.11,3076 -1224.44,3092.67 -1216.11,3109.33 -1232.77,3101 -1249.44,3109.33 -1241.11,3092.67 -1249.44,3076 ; -1249.44,3234.33 -1241.11,3234.33 -1241.11,3226 -1224.44,3226 -1224.44,3234.33 -1216.11,3234.33 -1216.11,3251 -1224.44,3251 -1224.44,3259.33 -1241.11,3259.33 -1241.11,3251 -1249.44,3251 -1249.44,3234.33 ; -1249.44,3301 -1249.44,3309.33 -1241.11,3317.67 -1249.44,3326 -1249.44,3334.33 -1241.11,3334.33 -1232.77,3326 -1224.44,3334.33 -1216.11,3334.33 -1216.11,3326 -1224.44,3317.67 -1216.11,3309.33 -1216.11,3301 -1224.44,3301 -1232.77,3309.33 -1241.11,3301 -1249.44,3301 ; -1249.44,3392.67 -1232.77,3376 -1216.11,3392.67 -1232.77,3409.33 -1249.44,3392.67 ; -1242.77,2707.67 -1222.77,2707.67 -1222.77,2727.67 -1242.77,2727.67 -1242.77,2707.67
  lines w15: -1280.9,2678.5 4252.61,2678.5 ; -1280.9,3428.5 4252.61,3428.5 ; -989.46,2603.5 -989.46,3503.5 ; -684.54,2603.5 -684.54,3503.5 ; -99.71,2603.5 -99.71,3503.5 ; 169.23,2603.5 169.23,3503.5 ; 552.13,2603.5 552.13,3503.5 ; 1311.91,2603.5 1311.91,3503.5 ; 1622.83,2603.5 1622.83,3503.5 ; 2011.73,2603.5 2011.73,3503.5 ; 2421.62,2603.5 2421.62,3503.5 ; 2864.5,2603.5 2864.5,3503.5 ; 3547.31,2603.5 3547.31,3503.5 ; -1280.9,2603.5 4252.61,2603.5 4252.61,3503.5 -1280.9,3503.5 -1280.9,2603.5
  text "Symbol" at -1235.9,3451 h36
  text "Count" at -966.96,3451 h36
  text "Hole Size" at -662.04,3451 h36
  text "Plated" at -77.21,3451 h36
  text "Hole Type" at 191.73,3451 h36
  text "Drill Layer Pair" at 574.63,3451 h36
  text "Via/Pad" at 1334.41,3451 h36
  text "Pad Shape" at 1645.33,3451 h36
  text "Template" at 2034.23,3451 h36
  text "Description" at 2444.12,3451 h36
  text "Hole Tolerance (+)" at 2887,3451 h36
  text "Hole Tolerance (-)" at 3569.81,3451 h36
  text "1" at -966.96,3376 h30
  text "51.18mil (1.300mm)" at -662.04,3376 h30
  text "PTH" at -77.21,3376 h30
  text "Round" at 191.73,3376 h30
  text "Top Layer - Bottom Layer" at 574.63,3376 h30
  text "Pad" at 1334.41,3376 h30
  text "Rounded" at 1645.33,3376 h30
  text "c195h130" at 2034.23,3376 h30
  text "2" at -966.96,3301 h30
  text "31.50mil (0.800mm)" at -662.04,3301 h30
  text "PTH" at -77.21,3301 h30
  text "Round" at 191.73,3301 h30
  text "Top Layer - Bottom Layer" at 574.63,3301 h30
  text "Pad" at 1334.41,3301 h30
  text "Rounded" at 1645.33,3301 h30
  text "c131h80" at 2034.23,3301 h30
  text "2" at -966.96,3226 h30
  text "47.24mil (1.200mm)" at -662.04,3226 h30
  text "PTH" at -77.21,3226 h30
  text "Round" at 191.73,3226 h30
  text "Top Layer - Bottom Layer" at 574.63,3226 h30
  text "Pad" at 1334.41,3226 h30
  text "Rounded" at 1645.33,3226 h30
  text "c180h120" at 2034.23,3226 h30
  text "4" at -966.96,3151 h30
  text "106.30mil (2.700mm)" at -662.04,3151 h30
  text "PTH" at -77.21,3151 h30
  text "Round" at 191.73,3151 h30
  text "Top Layer - Bottom Layer" at 574.63,3151 h30
  text "Pad" at 1334.41,3151 h30
  text "Rounded" at 1645.33,3151 h30
  text "c360h270p100" at 2034.23,3151 h30
  text "5" at -966.96,3076 h30
  text "11.00mil (0.279mm)" at -662.04,3076 h30
  text "PTH" at -77.21,3076 h30
  text "Round" at 191.73,3076 h30
  text "Top Layer - Bottom Layer" at 574.63,3076 h30
  text "Via" at 1334.41,3076 h30
  text "Rounded" at 1645.33,3076 h30
  text "v60h28m0mx0" at 2034.23,3076 h30
  text "6" at -966.96,3001 h30
  text "41.34mil (1.050mm)" at -662.04,3001 h30
  text "PTH" at -77.21,3001 h30
  text "Round" at 191.73,3001 h30
  text "Top Layer - Bottom Layer" at 574.63,3001 h30
  text "Pad" at 1334.41,3001 h30
  text "(Mixed)" at 1645.33,3001 h30
  text "(Mixed)" at 2034.23,3001 h30
  text "10" at -966.96,2926 h30
  text "25.60mil (0.650mm)" at -662.04,2926 h30
  text "PTH" at -77.21,2926 h30
  text "Round" at 191.73,2926 h30
  text "Top Layer - Bottom Layer" at 574.63,2926 h30
  text "Pad" at 1334.41,2926 h30
  text "(Mixed)" at 1645.33,2926 h30
  text "(Mixed)" at 2034.23,2926 h30
  text "16" at -966.96,2851 h30
  text "10.00mil (0.254mm)" at -662.04,2851 h30
  text "PTH" at -77.21,2851 h30
  text "Round" at 191.73,2851 h30
  text "Top Layer - Bottom Layer" at 574.63,2851 h30
  text "Via" at 1334.41,2851 h30
  text "Rounded" at 1645.33,2851 h30
  text "v56h25m0mx0" at 2034.23,2851 h30
  text "24" at -966.96,2776 h30
  text "50.00mil (1.270mm)" at -662.04,2776 h30
  text "PTH" at -77.21,2776 h30
  text "Round" at 191.73,2776 h30
  text "Top Layer - Bottom Layer" at 574.63,2776 h30
  text "Pad" at 1334.41,2776 h30
  text "(Mixed)" at 1645.33,2776 h30
  text "(Mixed)" at 2034.23,2776 h30
  text "151" at -966.96,2701 h30
  text "8.00mil (0.203mm)" at -662.04,2701 h30
  text "PTH" at -77.21,2701 h30
  text "Round" at 191.73,2701 h30
  text "Top Layer - Bottom Layer" at 574.63,2701 h30
  text "Via" at 1334.41,2701 h30
  text "Rounded" at 1645.33,2701 h30
  text "(Mixed)" at 2034.23,2701 h30
  text "221 Total" at -966.96,2626 h30

## Dimensions
254.35,1408.41 to 249.98,554.61 on Mechanical 9
0,1417.32 to 254.35,1408.41 on Mechanical 9
2374,2355 to 2377,-7 on Mechanical 9
3.96,2372 to 2366,2379 on Mechanical 9

## Text inside footprints (layer, text, board x,y; h text height)
J1: Mechanical 1 "Board edge" at 219.58,2342.34 h7.87 r180